# KiCad board omodri_sa_v2_laas.kicad_pcb (continued)
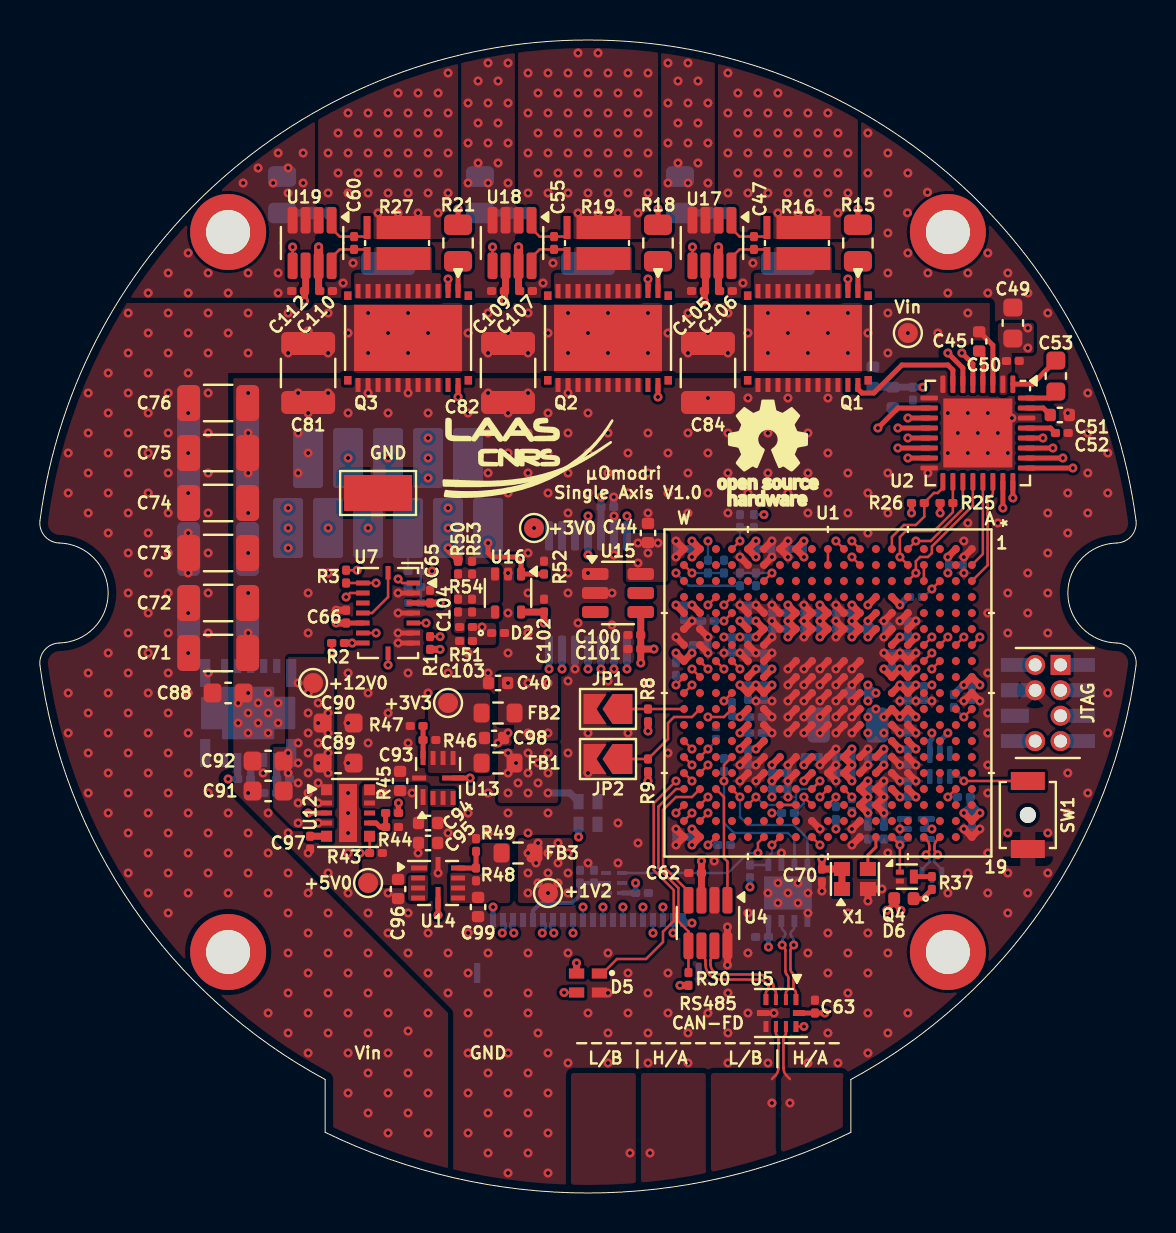
[diagram p0: board, top side]
## Routing (per net, layer and track width the routed paths; a pad name or vN(x,y) marks a point on that pad's centre or on a via; arc(x,y) is an arc through that point) (continued)
  vias: v1(23.41,22) v1(23.41,21) v1(23.41,20) v1(23.81,21.5) v1(23.91,20.5) v1(24.41,22) v1(24.41,21) v1(24.41,20) v1(24.91,21.5) v1(24.91,20.5) v1(25.41,22) v1(25.41,21)
VDDA_3V3: length 24.3
  Top w0.35: U1.R6 v1(35.01,28.6) ; U15.4 C100.1 C101.1 ; v1(35.81,28.6) U1.P6 v1(35.81,27.8) ; C101.1 v1(30.71,27.2) ; C101.1 v1(30.05,26.5)
  In5_PWR.Cu w0.45: v1(19.41,37.75) v1(19.41,35.75) 18.71,35.05 18.71,26.7 20.16,25.25 23.16,25.25 v1(23.41,25.5)
  Bottom w0.35: v1(35.81,28.6) 35.49,28.6 C38.1 35.33,28.6 v1(35.01,28.6) ; v1(35.81,27.8) 35.49,27.8 C37.1 35.33,27.8 v1(35.01,27.8) 34.69,27.8 C39.1 34.53,27.8 v1(34.21,27.8)
  vias: v1(19.41,36.75) v1(24.41,25.5) v1(24.41,23) v1(25.41,25.5) v1(25.41,23)
/COM_SIMO: length 20.2
  In4_sig.Cu w0.125: v1(40.61,19) 40.21,18.6 37.51,18.6 37.04,18.13 36.17,18.13 35.02,16.98 35.02,16.01 33.91,14.9 33.91,12.6 33.01,11.7 29.43,11.7 28.13,13 v1(26.66,13)
  Bottom w0.125: J2.12 v1(26.66,13) ; R5.2 v1(40.61,19)
/COM_SOMI: length 15.1
  In4_sig.Cu w0.125: v1(36.61,19) 36.04,19 34.31,17.27 34.31,16.3 33.21,15.19 33.21,12.9 32.72,12.41 29.72,12.41 28.81,13.31 28.81,13.95 v1(29.16,14.3)
  Bottom w0.125: v1(36.61,19) R7.2 ; J2.7 v1(29.16,14.3)
/ENC2_SPI_SIMO: length 7.2
  Top w0.125: R2.2 v1(14.59,27.04)
  In4_sig.Cu w0.125: v1(14.41,33.25) 13.91,32.75 13.91,27.72 v1(14.59,27.04)
/ENC2_SPI_SOMI: length 6.3
  Top w0.125: R3.2 v1(15.86,31.14)
  In4_sig.Cu w0.125: v1(15.41,36.75) 15.41,31.59 v1(15.86,31.14)
/OMODRI_SA_CAN_RS485/CAN_FD_N: length 5.4
  Top w0.127: U5.4 36.31,10 arc(36.33,10.08) 36.37,10.15 36.37,10.15 arc(36.42,10.22) 36.43,10.29 arc(36.42,10.37) 36.37,10.44 36.29,10.53 arc(36.12,10.63) 35.93,10.67 34.05,10.67 arc(33.76,10.73) 33.51,10.9 33.51,10.9 arc(33.34,11.15) 33.28,11.44 33.28,11.61 arc(33.26,11.74) 33.18,11.85 arc(33.11,11.96) 33.09,12.09 U4.6
/OMODRI_SA_CAN_RS485/CAN_FD_P: length 5.4
  Top w0.127: U4.7 33.74,12.09 arc(33.71,11.96) 33.64,11.85 arc(33.56,11.74) 33.54,11.61 33.54,11.44 arc(33.58,11.24) 33.69,11.08 arc(33.85,10.97) 34.05,10.93 35.93,10.93 arc(36.22,10.87) 36.47,10.71 36.59,10.58 arc(36.66,10.47) 36.69,10.35 36.69,10.3 arc(36.7,10.22) 36.75,10.15 arc(36.79,10.08) 36.81,10 U5.3
/OMODRI_SA_CAN_RS485/CAN_FD_RX: length 7.3
  Top w0.125: U4.4 32.44,15.07 31.17,16.34 31.17,19.16 31.81,19.8 32.61,19.8 U1.V16
/OMODRI_SA_CAN_RS485/CAN_FD_SHDN: length 10.6
  Top w0.125: U1.W16 31.81,20.2 30.93,19.32 30.93,16.25 31.93,15.25 31.93,13.58 32.44,13.07 U4.5 R30.2
/OMODRI_SA_CAN_RS485/CAN_FD_TX: length 5.8
  Top w0.125: U4.1 34.39,16.57 34.21,16.75 34.21,19.8 U1.U16
/OMODRI_SA_CAN_RS485/CAN_RS485_N: length 33.3
  Top w0.127: 36.61,5.7 36.77,5.86 arc(36.89,6.04) 36.93,6.25 36.93,7.7 arc(36.92,7.78) 36.87,7.85 arc(36.83,7.92) 36.81,8 U5.7
  In4_sig.Cu w0.127: v1(23.12,13) 23.2,12.92 arc(23.26,12.83) 23.28,12.72 23.28,9.63 arc(23.59,8.08) 24.47,6.76 24.54,6.69 arc(25.78,5.86) 27.24,5.57 36.29,5.57 arc(36.54,5.52) 36.75,5.39 36.8,5.33 arc(36.9,5.18) 36.93,5.01 arc(36.9,4.84) 36.8,4.69 v1(36.61,4.5) 36.77,4.34 arc(36.89,4.16) 36.93,3.95 36.93,3.73 arc(36.91,3.61) 36.85,3.51 arc(36.75,3.45) 36.63,3.43 30.52,3.43 arc(30.28,3.38) 30.07,3.24 30.03,3.2 arc(29.92,3.04) 29.88,2.84 29.88,2.64 arc(29.84,2.39) 29.7,2.19 v1(29.51,2) ; 23.12,12.97 23.2,12.89
  Bottom w0.127: J2.19 23.22,13.59 arc(23.27,13.52) 23.28,13.44 23.28,13.28 arc(23.26,13.17) 23.2,13.08 v1(23.12,13)
/OMODRI_SA_CAN_RS485/CAN_RS485_P: length 33.2
  Top w0.127: 37.51,5.7 37.35,5.86 arc(37.23,6.04) 37.19,6.25 37.19,7.7 arc(37.2,7.78) 37.25,7.85 arc(37.29,7.92) 37.31,8 U5.8
  In4_sig.Cu w0.127: v1(30.51,2) 30.32,2.19 arc(30.19,2.39) 30.14,2.64 30.14,2.79 arc(30.17,2.94) 30.25,3.06 30.25,3.06 arc(30.38,3.14) 30.52,3.17 36.63,3.17 arc(36.85,3.22) 37.03,3.34 arc(37.15,3.51) 37.19,3.73 37.19,3.95 arc(37.23,4.16) 37.35,4.34 v1(37.51,4.5) 37.35,4.66 arc(37.23,4.84) 37.19,5.05 37.19,5.06 arc(37.14,5.28) 37.02,5.47 36.93,5.56 arc(36.64,5.76) 36.29,5.83 27.32,5.83 arc(25.88,6.11) 24.66,6.93 24.65,6.94 arc(23.83,8.17) 23.54,9.63 23.54,12.72 arc(23.56,12.83) 23.62,12.92 v1(23.7,13)
  Bottom w0.127: v1(23.7,13) 23.62,13.08 arc(23.56,13.17) 23.54,13.28 23.54,13.44 arc(23.55,13.52) 23.6,13.59 J2.18
/OMODRI_SA_CAN_RS485/CAN_RS485_SEL: length 11.1
  Top w0.125: U1.L19 v1(39.01,17.4) ; U5.9 v1(38.21,8.32)
  In4_sig.Cu w0.125: v1(39.01,17.4) 39.91,16.5 39.91,12.4 38.21,10.7 v1(38.21,8.32)
/OMODRI_SA_CAN_RS485/RS485_N: length 4.2
  Top w0.127: v1(37.12,12.4) 37.2,12.32 arc(37.26,12.23) 37.28,12.12 37.28,11.09 arc(37.3,11) 37.36,10.91 arc(37.41,10.83) 37.43,10.73 37.43,10.3 arc(37.42,10.22) 37.37,10.15 arc(37.33,10.08) 37.31,10 U5.2
  Bottom w0.127: v1(37.12,12.4) 37.12,12.6 arc(37.14,12.7) 37.2,12.79 37.23,12.82 arc(37.27,12.88) 37.28,12.95 arc(37.27,13.02) 37.23,13.08 37.18,13.13 arc(37.11,13.24) 37.09,13.37 U6.7
/OMODRI_SA_CAN_RS485/RS485_P: length 4.2
  Top w0.127: U5.1 37.81,10 arc(37.79,10.08) 37.75,10.15 arc(37.7,10.22) 37.69,10.3 37.69,10.84 arc(37.67,10.94) 37.61,11.02 arc(37.56,11.1) 37.54,11.2 37.54,12.12 arc(37.56,12.23) 37.62,12.32 v1(37.7,12.4)
  Bottom w0.127: U6.6 37.74,13.37 arc(37.71,13.24) 37.64,13.13 37.59,13.08 arc(37.55,13.02) 37.54,12.95 arc(37.55,12.88) 37.59,12.82 37.62,12.79 arc(37.68,12.7) 37.7,12.6 v1(37.7,12.4)
/OMODRI_SA_CAN_RS485/RS485_RX: length 2.6
  Top w0.125: U1.N19 v1(36.61,17.4)
  Bottom w0.125: v1(36.61,17.4) 36.61,17 36.44,16.82 U6.1 R31.1
/OMODRI_SA_CAN_RS485/RS485_TX: length 6.7
  Top w0.125: U1.T16 v1(35.01,19.8)
  Bottom w0.125: U6.4 38.39,17.72 37.71,18.4 35.41,18.4 35.01,18.8 v1(35.01,19.8)
/OMODRI_SA_CAN_RS485/RS485_TX_EN: length 9.1
  Top w0.125: U1.T14 34.21,21.4 v1(34.21,20.6)
  Bottom w0.125: U6.3 37.74,17.68 37.41,18 34.71,18 34.21,18.5 v1(34.21,20.6) R32.2
/OMODRI_SA_CLK/25MHz_OSC_SRC: length 1.8
  Top w0.15: U1.G19 41.81,17.3 41.41,16.9 X1.3
/OMODRI_SA_Encoder/ENC1_CHA: length 19.3
  Top w0.125: v1(40.61,32.6) U1.H1
  In4_sig.Cu w0.125: v1(40.61,32.6) 40.21,32.2 31.46,32.2 v1(25.46,26.2)
  Bottom w0.25: U3.7 v1(25.46,26.2)
/OMODRI_SA_Encoder/ENC1_CHB: length 18.5
  Top w0.125: v1(40.61,31.8) U1.H2
  In4_sig.Cu w0.125: v1(40.61,31.8) 40.21,31.4 30.99,31.4 26.11,26.52 v1(26.11,26.2)
  Bottom w0.25: U3.6 v1(26.11,26.2)
/OMODRI_SA_Encoder/ENC1_CHI: length 12.5
  Top w0.125: U1.J1 v1(39.81,32.6)
  In4_sig.Cu w0.125: v1(39.81,32.6) 38.91,33.5 29.71,33.5 v1(29.36,33.85)
  Bottom w0.125: U3.14 v1(29.36,33.85)
/OMODRI_SA_Encoder/ENC1_SPI_CLK: length 25.1
  Top w0.125: U2.20 46.66,34.38 44.61,32.33 44.61,32 44.41,31.8 44.02,31.8 43.81,31.59 v1(43.81,31) U1.E3
  In4_sig.Cu w0.125: v1(28.71,26.2) 28.71,27.19 31.6,30.08 42.9,30.08 v1(43.81,31)
  Bottom w0.25: U3.2 v1(28.71,26.2)
/OMODRI_SA_Encoder/ENC1_SPI_SIMO: length 25.4
  Top w0.125: U1.E1 v1(43.81,32.6) 44.55,32.6 46.16,34.21 U2.19
  In4_sig.Cu w0.125: v1(43.81,32.6) U1.E1 43.41,30.93 42.8,30.32 31.5,30.32 28.06,26.88 v1(28.06,26.2)
  Bottom w0.25: U3.3 v1(28.06,26.2)
/OMODRI_SA_Encoder/ENC1_SPI_SOMI: length 25.9
  Top w0.125: U1.E2 v1(43.01,31.8) 43.01,32.8 43.31,33.1 44.72,33.1 45.66,34.04 R25.1 U2.18
  In4_sig.Cu w0.125: v1(43.01,31.8) 43.01,30.86 42.7,30.56 31.41,30.56 27.41,26.56 v1(27.41,26.2)
  Bottom w0.25: U3.4 v1(27.41,26.2)
/OMODRI_SA_Encoder/~{ENC1_SPI_CSn}: length 19.8
  Top w0.125: U1.C3 v1(44.61,30.2)
  In4_sig.Cu w0.125: v1(44.61,30.2) 43.34,30.2 42.99,29.85 31.7,29.85 29.36,27.51 v1(29.36,26.2)
  Bottom w0.125: R29.1 44.21,29.8 v1(44.61,30.2)
  Bottom w0.25: U3.1 v1(29.36,26.2)
/OMODRI_SA_IMU/IMU_INT: length 22.5
  Top w0.125: U7.1 18.11,30.5 v1(17.91,30.7) ; U1.W10 v1(32.61,25.4)
  In4_sig.Cu w0.125: v1(17.91,30.7) 18.51,30.1 18.51,27 17.91,26.4 17.91,25.83 19.3,24.44 31.65,24.44 v1(32.61,25.4)
/OMODRI_SA_IMU/IMU_SPI_CLK: length 26.8
  Top w0.125: U7.8 v1(17.41,26.4) ; U1.V8 v1(33.41,26.2)
  In4_sig.Cu w0.125: v1(16.41,33.25) 16.41,32.1 17.41,31.1 v1(17.41,26.4) 17.41,26 19.21,24.2 32.12,24.2 33.41,25.5 v1(33.41,26.2)
/OMODRI_SA_IMU/IMU_SPI_SIMO: length 23.7
  Top w0.125: R2.1 v1(15.61,27.5) U7.9 ; U1.T8 v1(35.01,26.2)
  In4_sig.Cu w0.125: v1(15.61,27.5) 15.61,27.14 19.01,23.73 32.31,23.73 33.98,25.4 34.21,25.4 v1(35.01,26.2)
/OMODRI_SA_IMU/IMU_SPI_SOMI: length 26.4
  Top w0.125: U1.U8 v1(34.21,26.2) ; v1(16.81,28) U7.10 ; R3.1 U7.15 v1(16.81,30.5)
  In4_sig.Cu w0.125: v1(16.81,30.5) v1(16.81,28) 16.81,26.27 19.11,23.97 32.22,23.97 33.81,25.56 33.81,25.8 v1(34.21,26.2)
/OMODRI_SA_IMU/~{IMU_SPI_ACCEL_CSn}: length 25.6
  Top w0.125: U1.T10 v1(34.21,24.6) ; U7.14 15.51,30 v1(15.31,29.8)
  In4_sig.Cu w0.125: v1(34.21,24.6) 33.51,24.6 32.41,23.5 18.91,23.5 15.11,27.3 15.11,28 15.31,28.2 v1(15.31,29.8)
  Bottom w0.125: R34.1 34.29,24.52 v1(34.21,24.6)
/OMODRI_SA_IMU/~{IMU_SPI_GYRO_CSn}: length 17.5
  Top w0.125: U1.W9 v1(31.81,25.4) ; U7.5 v1(19.31,28.5)
  In4_sig.Cu w0.125: v1(19.31,28.5) 19.31,26.07 20.7,24.67 31.09,24.67 v1(31.81,25.4)
  Bottom w0.125: R33.1 v1(31.81,25.4)
/OMODRI_SA_JTAG/JTAG_TCK: length 19.7
  Top w0.125: U1.V15 v1(33.41,21.4)
  In4_sig.Cu w0.125: J3.3 50.01,24.1 49.22,24.1 47.72,22.6 34.61,22.6 v1(33.41,21.4)
/OMODRI_SA_JTAG/JTAG_TDI: length 22.4
  Top w0.125: U1.W13 v1(32.61,22.2)
  In4_sig.Cu w0.125: J3.7 50.35,21.9 46.21,21.9 44.51,20.2 32.41,20.2 32.21,20.4 32.21,21.8 v1(32.61,22.2)
/OMODRI_SA_JTAG/JTAG_TDO: length 18.6
  Top w0.125: U1.W15 v1(32.61,20.6)
  In4_sig.Cu w0.125: v1(32.61,20.6) 33.63,20.6 34.02,21 44.46,21 45.59,22.13 49.31,22.13 J3.8
/OMODRI_SA_JTAG/JTAG_TMS: length 20.4
  Top w0.125: U1.W14 v1(32.61,21.4)
  In4_sig.Cu w0.125: v1(32.61,21.4) 33.01,21 33.61,21 34.41,21.8 44.41,21.8 44.98,22.36 47.82,22.36 49.32,23.86 J3.5
/OMODRI_SA_JTAG/JTAG_~{TRSTn}: length 22.8
  Top w0.125: U1.V14 v1(33.41,22.2)
  In4_sig.Cu w0.125: J3.1 50.25,27.2 49.31,27.2 48.91,26.8 48.91,24.12 48.19,23.4 34.61,23.4 v1(33.41,22.2)
  Bottom w0.125: R35.1 33.81,22.6 v1(33.41,22.2)
/OMODRI_SA_LED_dbg/LED_SPI_SIMO: length 18.2
  Top w0.125: U1.T11 34.21,23.8 v1(33.41,23.8) ; D5.1 28.13,10.97 28.86,11.7 30.31,11.7 31.16,12.55 31.16,13.06 31.7,13.6 31.7,15.15 30.7,16.15 30.7,19.49 v1(31.81,20.6)
  In4_sig.Cu w0.125: v1(33.41,23.8) 31.81,22.2 v1(31.81,20.6)
/OMODRI_SA_LED_dbg/Top_to_bottom_led_link: length 9.6
  Top w0.125: D5.3 v1(26.21,10.03)
  In4_sig.Cu w0.125: v1(26.94,17.8) 26.94,14.78 26.16,14 26.16,12.6 25.91,12.35 25.91,10.32 v1(26.21,10.03)
  Bottom w0.35: D4.1 v1(26.94,17.8)
/OMODRI_SA_MCU/COM_SPI_CLK: length 18.4
  Top w0.125: U1.K16 v1(39.01,19.8)
  In4_sig.Cu w0.125: v1(39.01,19.8) 38.28,19.07 37.31,19.07 36.84,18.6 35.97,18.6 34.55,17.17 34.55,16.2 33.44,15.1 33.44,12.79 32.82,12.17 29.62,12.17 28.16,13.63 v1(28.16,14.3)
  Bottom w0.125: J2.9 v1(28.16,14.3)
/OMODRI_SA_MCU/COM_SPI_SIMO: length 0.6
  Top w0.125: U1.J16 v1(40.61,19.8)
  Bottom w0.125: R5.1 v1(40.61,19.8)
/OMODRI_SA_MCU/COM_SPI_SOMI: length 1.6
  Top w0.125: U1.L17 v1(38.21,19.8)
  Bottom w0.125: R7.1 38.21,19.48 v1(38.21,19.8)
/OMODRI_SA_MCU/DRV_EN: length 5.4
  Top w0.125: U2.22 47.66,34.95 47.4,34.69 47.4,31.39 U1.A3
/OMODRI_SA_MCU/GPIO_DBG_0: length 9.1
  Top w0.125: U1.V17 v1(33.41,19.8)
  In4_sig.Cu w0.125: v1(30.16,14.3) 30.69,14.83 30.69,18.84 31.65,19.8 v1(33.41,19.8)
  Bottom w0.125: J2.5 v1(30.16,14.3)
/OMODRI_SA_MCU/GPIO_DBG_1: length 9.2
  Top w0.125: U1.W18 v1(32.61,19)
  In4_sig.Cu w0.125: v1(30.66,13) 30.66,14.36 30.93,14.63 30.93,18.75 31.58,19.4 32.21,19.4 v1(32.61,19)
  Bottom w0.125: J2.4 v1(30.66,13)
/OMODRI_SA_MCU/GPIO_DBG_2: length 6.4
  Top w0.125: U1.W17 v1(31.81,19)
  In4_sig.Cu w0.125: v1(31.16,14.3) 31.16,18.65 31.51,19 v1(31.81,19)
  Bottom w0.125: J2.3 v1(31.16,14.3)
/OMODRI_SA_MCU/GPIO_DBG_3: length 9
  Top w0.125: U1.V18 v1(33.41,19)
  In4_sig.Cu w0.125: v1(33.41,19) 33.01,18.6 33.01,18.6 31.65,18.6 31.4,18.35 31.4,14.72 31.66,14.45 v1(31.66,13)
  Bottom w0.125: J2.2 v1(31.66,13)
/OMODRI_SA_MCU/GPIO_SELECT_0: length 3.1
  Top w0.125: JP1.1 R8.2 U1.W11
/OMODRI_SA_MCU/GPIO_SELECT_1: length 5.4
  Top w0.125: JP2.1 R9.2 31.41,22.7 31.41,23.5 31.71,23.8 32.61,23.8 U1.V11
/OMODRI_SA_MCU/OMODRI_SA_GPIO/BOOT_MODE_0: length 1.3
  Top w0.125: U1.A11 v1(46.21,23.8)
  Bottom w0.125: v1(46.21,23.8) 45.73,24.28 R10.2
/OMODRI_SA_MCU/OMODRI_SA_GPIO/BOOT_MODE_1: length 1
  Top w0.125: U1.B16 v1(45.41,19.8)
  Bottom w0.125: R11.2 v1(45.41,19.8)
/OMODRI_SA_MCU/OMODRI_SA_GPIO/CLB_McBSP_MCLKR: length 0.8
  Top w0.125: U1.N17 U1.M17
/OMODRI_SA_MCU/OMODRI_SA_GPIO/CLB_McBSP_MCLKX: length 0.8
  Top w0.125: U1.K1 U1.K2
/OMODRI_SA_MCU/OMODRI_SA_GPIO/CLB_McBSP_MFSR: length 5.2
  Top w0.125: U1.R17 v1(35.81,19.8) ; U1.L16 v1(39.01,20.6)
  Bottom w0.125: v1(35.81,19.8) 36.21,19.4 37.58,19.4 37.81,19.64 37.81,19.96 38.05,20.2 U1.L16 v1(39.01,20.6)
/OMODRI_SA_MCU/OMODRI_SA_GPIO/CLB_McBSP_MFSX: length 0.8
  Top w0.125: U1.D2 U1.D3
/OMODRI_SA_MCU/OMODRI_SA_MCU_CTRL/ERRORSTS: length 1
  Top w0.125: U1.U19 v1(33.41,17.4)
  Bottom w0.125: v1(33.41,17.4) R12.1
/OMODRI_SA_MCU/PWM1_CHA: length 13.4
  Top w0.125: v1(44.61,26.2) U1.C8
  Top w0.25: U2.23 v1(48.16,34.25)
  In4_sig.Cu w0.125: v1(48.16,34.25) 48.68,33.73 48.68,32.8 44.08,28.2 43.61,28.2 43.41,28 43.41,26.8 43.61,26.6 44.21,26.6 v1(44.61,26.2)
/OMODRI_SA_MCU/PWM1_CHB: length 11.3
  Top w0.125: U1.D8 v1(44.61,27)
  Top w0.25: U2.24 v1(48.66,34.75)
  In4_sig.Cu w0.125: v1(48.66,34.75) 48.91,34.5 48.91,32.7 44.21,28 44.21,27.4 v1(44.61,27)
/OMODRI_SA_MCU/PWM2_CHA: length 13.7
  Top w0.125: U1.A7 v1(47.01,27.8)
  Top w0.25: U2.25 v1(51.66,36.25)
  In4_sig.Cu w0.125: v1(47.01,27.8) 46.45,28.36 46.45,28.91 49.85,32.31 49.85,34.44 v1(51.66,36.25)
/OMODRI_SA_MCU/PWM2_CHB: length 13.4
  Top w0.125: U1.B7 v1(46.21,27.8)
  Top w0.25: U2.26 v1(51.16,36.75)
  In4_sig.Cu w0.125: v1(51.16,36.75) 49.62,35.2 49.62,32.41 46.21,29 v1(46.21,27.8)
/OMODRI_SA_MCU/PWM3_CHA: length 13.5
  Top w0.125: U1.C7 v1(45.41,27.8)
  Top w0.25: U2.27 v1(50.66,37.25)
  In4_sig.Cu w0.125: v1(50.66,37.25) 49.38,35.97 49.38,32.51 45.41,28.54 v1(45.41,27.8)
/OMODRI_SA_MCU/PWM3_CHB: length 13.6
  Top w0.125: U1.D7 v1(44.61,27.8)
  Top w0.25: U2.28 v1(50.16,37.75)
  In4_sig.Cu w0.125: v1(44.61,27.8) 45.18,28.36 45.18,28.63 49.15,32.6 49.15,36.73 v1(50.16,37.75)
/OMODRI_SA_MCU/USB_DETECT: length 8.1
  Top w0.125: v1(35.91,17) 35.91,17.5 U1.P19
  Bottom w0.125: v1(35.91,17) 35.41,17 34.41,16 U8.4
/OMODRI_SA_MCU/USB_N: length 34.1
  Top w0.127: v1(44.32,16.91) 44.4,16.99 arc(44.46,17.08) 44.48,17.19 44.48,17.33 arc(44.45,17.51) 44.35,17.66 U1.D19
  In4_sig.Cu w0.127: v1(44.32,16.91) 44.4,16.83 arc(44.46,16.74) 44.48,16.63 44.48,15.5 arc(44.34,14.76) 43.92,14.14 43.73,13.95 arc(43.18,13.12) 42.98,12.14 42.98,11.27 arc(42.69,9.8) 41.86,8.55 arc(40.61,7.72) 39.14,7.43 37.19,7.43 arc(37.02,7.5) 36.95,7.67 36.95,7.79 arc(36.88,7.96) 36.71,8.03 36.59,8.03 arc(36.42,7.96) 36.35,7.79 36.35,7.67 arc(36.28,7.5) 36.11,7.43 27.45,7.43 arc(26.82,7.55) 26.28,7.91 26.15,8.04 arc(25.7,8.72) 25.54,9.52 25.54,12.72 arc(25.56,12.83) 25.62,12.92 v1(25.7,13)
  Bottom w0.127: v1(44.32,16.91) 44.48,16.75 44.48,16.55 44.11,16.18 D3.2 ; v1(25.7,13) 25.62,13.08 arc(25.56,13.17) 25.54,13.28 25.54,13.44 arc(25.55,13.52) 25.6,13.59 J2.14
/OMODRI_SA_MCU/USB_P: length 34.1
  Top w0.127: U1.C19 44.87,17.66 arc(44.77,17.51) 44.74,17.33 44.74,17.19 arc(44.76,17.08) 44.82,16.99 v1(44.9,16.91)
  In4_sig.Cu w0.127: v1(25.12,13) 25.2,12.92 arc(25.26,12.83) 25.28,12.72 25.28,9.52 arc(25.46,8.62) 25.97,7.86 26.13,7.7 arc(26.71,7.31) 27.4,7.17 39.14,7.17 arc(40.71,7.48) 42.04,8.37 arc(42.93,9.7) 43.24,11.27 43.24,12.04 arc(43.43,13.02) 43.99,13.85 44.14,14 arc(44.58,14.66) 44.74,15.45 44.74,16.63 arc(44.76,16.74) 44.82,16.83 v1(44.9,16.91)
  Bottom w0.127: v1(44.9,16.91) 44.74,16.75 44.74,16.55 45.11,16.18 D3.3 ; v1(25.12,13) 25.2,13.08 arc(25.26,13.17) 25.28,13.28 25.28,13.44 arc(25.27,13.52) 25.22,13.59 J2.15
/OMODRI_SA_MCU/Vanalog1: length 18
  Top w0.125: U1.T4 v1(34.21,29.4)
  In2_sig.Cu w0.125: v1(34.21,29.4) 33.41,30.2 31.01,30.2 30.71,30.5 20.21,30.5 v1(19.61,31.1)
  Bottom w0.125: D1.1 C1.1 R4.1 v1(19.61,31.1)
/OMODRI_SA_MCU/Vanalog_Ia: length 1.9
  Top w0.125: U1.T1 v1(35.01,32.6)
  Bottom w0.125: v1(35.01,32.6) C59.1 R24.1
/OMODRI_SA_MCU/Vanalog_Ib: length 2.2
  Top w0.125: U1.W2 v1(32.61,31)
  Bottom w0.125: C58.1 R23.2 v1(32.61,31)
/OMODRI_SA_MCU/Vanalog_Ic: length 2.2
  Top w0.125: U1.P3 v1(36.61,31)
  Bottom w0.125: R22.2 C57.1 v1(36.61,31)
/OMODRI_SA_MCU/Vthermistor: length 12.3
  Top w0.125: U1.U4 v1(33.41,29.4)
  In2_sig.Cu w0.125: v1(33.41,29.4) 33.01,29 24.41,29 23.71,28.3 v1(22.11,28.3)
/OMODRI_SA_MCU/~{COM_SPI_CSn}: length 20.5
  Top w0.125: U1.K17 v1(39.81,19.8)
  In4_sig.Cu w0.125: v1(27.16,14.3) 29.53,11.94 32.91,11.94 33.68,12.7 33.68,15 34.78,16.11 34.78,17.08 36.07,18.37 36.94,18.37 37.41,18.84 38.85,18.84 v1(39.81,19.8)
  Bottom w0.125: J2.11 v1(27.16,14.3) ; v1(39.81,19.8) R6.2
/OMODRI_SA_MCU/~{DRV_FAULTn}: length 4.9
  Top w0.125: U1.F1 42.61,32.8 43.21,33.4 43.81,33.4 44.23,33.82 R26.1 44.23,34.52 44.71,35 44.9,35 45.16,35.26 U2.17
/OMODRI_SA_MCU/~{DRV_SPI_CSn}: length 4.4
  Top w0.125: U1.A2 47.16,31.95 U2.21
/OMODRI_SA_MCU/~{ENC2_SPI_CSn}: length 27
  Top w0.125: R1.1 v1(20.01,27.82) ; U1.V9 v1(32.61,26.2)
  In4_sig.Cu w0.125: v1(32.61,26.2) 32.05,26.2 30.76,24.91 21.41,24.91 20.91,25.41 20.91,26.92 v1(20.01,27.82) 20.91,28.72 20.91,30.7 17.41,34.2 v1(17.41,36.75)
/OMODRI_SA_MCU/~{XRSn}: length 13.7
  Top w0.125: Q4.1 v1(43.01,17.4) U1.F19 ; v1(46.21,20.6) SW1.2
  In4_sig.Cu w0.125: v1(43.01,17.4) 44.61,19 45.41,19 46.21,19.8 v1(46.21,20.6)
  Bottom w0.125: v1(46.21,20.6) 45.99,20.82 45.51,20.82 ; 42.96,17.4 43.01,17.35 43.01,17.47
  Bottom w0.25: R36.2 C69.1 42.81,17.7 ; 42.81,17.7 43.01,17.5 v1(43.01,17.4) 43.01,17.47 43.24,17.7 42.81,17.7
/OMODRI_SA_MOTOR_DRIVER/CPH: length 2.6
  Top w0.25: C53.1 49.63,40.44 48.67,40.44 U2.1
/OMODRI_SA_MOTOR_DRIVER/CPL: length 1.6
  Top w0.25: 50.81,40.08 50.49,39.75 U2.32
/OMODRI_SA_MOTOR_DRIVER/GHA: length 1.5
  Top w0.25: Q1.1 R15.2
/OMODRI_SA_MOTOR_DRIVER/GHA_drv: length 13.5
  Top w0.25: v1(46.11,42) 46.66,41.45 U2.5 ; R15.1 v1(40.91,49.2)
  In4_sig.Cu w0.25: v1(46.11,42) 46.11,43.21 44.02,45.3 41.32,45.3 40.91,45.71 v1(40.91,49.2)
/OMODRI_SA_MOTOR_DRIVER/GHB: length 1.5
  Top w0.25: Q2.1 R18.2
/OMODRI_SA_MOTOR_DRIVER/GHB_drv: length 25.9
  Top w0.25: U2.12 v1(42.91,38.25) ; R18.1 v1(30.91,49.2)
  In4_sig.Cu w0.25: v1(30.91,49.2) 30.91,47.7 29.21,46 29.21,41.31 29.88,40.64 40.52,40.64 v1(42.91,38.25)
/OMODRI_SA_MOTOR_DRIVER/GHC: length 1.5
  Top w0.25: Q3.1 R21.2
/OMODRI_SA_MOTOR_DRIVER/GHC_drv: length 33.9
  Top w0.25: U2.13 v1(43.41,37.75) ; R21.1 v1(20.91,49.2)
  In4_sig.Cu w0.25: v1(43.41,37.75) 41.28,37.75 39.78,39.25 30.76,39.25 28.79,41.22 21.8,41.22 20.47,42.55 20.47,44.63 21.31,45.47 21.31,48.8 v1(20.91,49.2)
/OMODRI_SA_MOTOR_DRIVER/GLA: length 6.4
  Top w0.25: U2.7 45.66,41.15 45.41,41.4 43.11,41.4 41.71,40 41.11,40 40.91,40.2 Q1.22
/OMODRI_SA_MOTOR_DRIVER/GLB: length 15.9
  Top w0.25: U2.10 42.91,39.25 v1(41.91,38.25) ; v1(30.91,39.8) Q2.22
  In4_sig.Cu w0.25: v1(41.91,38.25) 41.91,38.74 40.37,40.28 31.39,40.28 v1(30.91,39.8)
/OMODRI_SA_MOTOR_DRIVER/GLC: length 26
  Top w0.25: U2.15 v1(43.41,36.75) ; Q3.22 v1(20.91,39.8)
  In4_sig.Cu w0.25: v1(20.91,39.8) 21.61,40.5 28.49,40.5 30.46,38.53 39.48,38.53 41.26,36.75 v1(43.41,36.75)
/OMODRI_SA_MOTOR_DRIVER/MOTOR_CH1_OUT:
  vias: v1(34.41,56) v1(34.41,54) v1(34.41,52) v1(34.41,50) v1(34.91,55) v1(34.91,53) v1(34.91,51) v1(35.41,54) v1(35.41,52) v1(35.41,50) v1(35.91,55) v1(35.91,53) v1(35.91,51) v1(36.41,54) v1(36.41,52) v1(36.41,50) v1(36.91,55) v1(36.91,53) v1(36.91,51) v1(36.91,49) v1(37.41,54) v1(37.41,52) v1(37.41,50) v1(37.91,53) v1(37.91,51) v1(37.91,49) v1(38.41,54) v1(38.41,52) v1(38.41,50) v1(38.91,53) v1(38.91,51) v1(38.91,49) v1(39.41,54) v1(39.41,52) v1(39.41,50) v1(39.91,53) v1(39.91,51) v1(39.91,49) v1(40.41,52) v1(40.41,50)
/OMODRI_SA_MOTOR_DRIVER/MOTOR_CH2_OUT:
  vias: v1(24.41,56) v1(24.41,54) v1(24.41,52) v1(24.41,50) v1(24.91,55) v1(24.91,53) v1(24.91,51) v1(25.41,56) v1(25.41,54) v1(25.41,52) v1(25.41,50) v1(25.91,55) v1(25.91,53) v1(25.91,51) v1(26.41,56) v1(26.41,54) v1(26.41,52) v1(26.41,50) v1(26.91,57) v1(26.91,55) v1(26.91,53) v1(26.91,51) v1(26.91,49) v1(27.41,56) v1(27.41,54) v1(27.41,52) v1(27.41,50) v1(27.91,57) v1(27.91,55) v1(27.91,53) v1(27.91,51) v1(27.91,49) v1(28.41,56) v1(28.41,54) v1(28.41,52) v1(28.41,50) v1(28.91,55) v1(28.91,53) v1(28.91,51) v1(28.91,49) v1(29.41,56) v1(29.41,54) v1(29.41,52) v1(29.41,50) v1(29.91,55) v1(29.91,53) v1(29.91,51) v1(29.91,49) v1(30.41,56) v1(30.41,54) v1(30.41,52) v1(30.41,50)
/OMODRI_SA_MOTOR_DRIVER/MOTOR_CH3_OUT:
  vias: v1(14.41,52) v1(14.41,50) v1(14.91,53) v1(14.91,51) v1(15.41,54) v1(15.41,52) v1(15.41,50) v1(15.91,53) v1(15.91,51) v1(16.41,54) v1(16.41,52) v1(16.41,50) v1(16.91,53) v1(16.91,51) v1(16.91,49) v1(17.41,54) v1(17.41,52) v1(17.41,50) v1(17.91,55) v1(17.91,53) v1(17.91,51) v1(17.91,49) v1(18.41,54) v1(18.41,52) v1(18.41,50) v1(18.91,55) v1(18.91,53) v1(18.91,51) v1(18.91,49) v1(19.41,54) v1(19.41,52) v1(19.41,50) v1(19.91,55) v1(19.91,53) v1(19.91,51) v1(19.91,49) v1(20.41,56) v1(20.41,54) v1(20.41,52) v1(20.41,50)
/OMODRI_SA_MOTOR_DRIVER/SHA: length 10.1
  Top w0.25: U2.6 46.16,41.25 v1(45.41,42) ; Q1.2 v1(40.41,45.7)
  In4_sig.Cu w0.25: v1(40.41,45.7) 41.17,44.94 43.87,44.94 45.75,43.06 45.75,42.34 v1(45.41,42)
/OMODRI_SA_MOTOR_DRIVER/SHB: length 21.2
  Top w0.25: U2.11 v1(43.41,38.75) ; Q2.2 v1(30.41,45.7)
  In4_sig.Cu w0.25: v1(43.41,38.75) 42.92,38.75 40.67,41 30.03,41 29.57,41.46 29.57,44.86 v1(30.41,45.7)
/OMODRI_SA_MOTOR_DRIVER/SHC: length 30.5
  Top w0.25: Q3.2 v1(20.41,45.7) ; U2.14 v1(42.91,37.25)
  In4_sig.Cu w0.25: v1(42.91,37.25) 41.27,37.25 39.63,38.89 30.61,38.89 28.64,40.86 21.65,40.86 20.11,42.4 20.11,45.4 v1(20.41,45.7)
/OMODRI_SA_MOTOR_DRIVER/SNA: length 2.8
  Top w0.125: 34.59,48.64 34.59,48.22 34.99,47.82 C47.1 36.36,47.82 R16.3
/OMODRI_SA_MOTOR_DRIVER/SNB: length 2.8
  Top w0.125: 24.59,48.64 24.59,48.22 24.99,47.82 C55.1 26.36,47.82 R19.3
/OMODRI_SA_MOTOR_DRIVER/SNC: length 2.8
  Top w0.125: 14.59,48.64 14.59,48.22 14.99,47.82 C60.1 16.36,47.82 R27.3
/OMODRI_SA_MOTOR_DRIVER/SOA_out: length 16.3
  Top w0.125: U17.5 v1(32.64,47.3)
  In2_sig.Cu w0.125: v1(36.21,33.92) 36.21,35.2 35.91,35.5 35.91,44.03 v1(32.64,47.3)
  Bottom w0.125: R24.2 v1(36.21,33.92)
/OMODRI_SA_MOTOR_DRIVER/SOB_out: length 27.2
  Top w0.125: U18.5 v1(22.64,47.3)
  In2_sig.Cu w0.125: v1(22.64,47.3) 23.34,48 30.71,48 33.91,44.8 33.91,33.1 v1(33.41,32.6)
  Bottom w0.125: R23.1 v1(33.41,32.6)
/OMODRI_SA_MOTOR_DRIVER/SOC_out: length 38.7
  Top w0.125: U19.5 v1(12.64,47.3)
  In2_sig.Cu w0.125: v1(31.81,31) 31.41,31.4 31.41,33 31.91,33.5 31.91,43.5 29.41,46 21.71,46 19.71,48 13.34,48 v1(12.64,47.3)
  Bottom w0.125: R22.1 32.45,30.36 v1(31.81,31)
/OMODRI_SA_MOTOR_DRIVER/SPA: length 2.8
  Top w0.125: 34.59,46.36 34.59,46.78 34.99,47.18 C47.2 36.33,47.18 36.36,47.15 R16.2
/OMODRI_SA_MOTOR_DRIVER/SPB: length 2.8
  Top w0.125: R19.2 26.36,47.18 C55.2 24.99,47.18 24.59,46.78 24.59,46.36
/OMODRI_SA_MOTOR_DRIVER/SPC: length 2.8
  Top w0.125: R27.2 16.36,47.18 C60.2 14.99,47.18 14.59,46.78 14.59,46.36
/OMODRI_SA_MOTOR_DRIVER/VCP_DRV: length 1.7
  Top w0.25: U2.4 47.16,41.92 C45.2
/OMODRI_SA_MOTOR_DRIVER/VGLS: length 1.3
  Top w0.25: C51.2 50.18,39.25 U2.31
/OMODRI_SA_POWER/OMODRI_SA_Alim_1V2/EN_1V2: length 14.1
  Top w0.125: U12.6 R43.2 v1(16.01,17)
  Top w0.25: U14.5 v1(19.91,13.9) ; U13.5 v1(21.51,20.75)
  In4_sig.Cu w0.125: 17.76,17 v1(21.51,20.75) ; 17.76,17 v1(16.01,17) ; 17.76,17 19.91,14.85 v1(19.91,13.9)
/OMODRI_SA_POWER/OMODRI_SA_Alim_1V2/FB_1V2: length 1.7
  Top w0.25: U14.9 R48.2 R49.1
/OMODRI_SA_POWER/OMODRI_SA_Alim_3V3/FB_3V3: length 1.6
  Top w0.25: U13.9 R46.2 R47.1
/OMODRI_SA_POWER/OMODRI_SA_Alim_5V/FB_5V0: length 1.6
  Top w0.25: U12.7 16.81,18.5 17.01,18.3 R44.2 R45.2
/OMODRI_SA_POWER/OMODRI_SA_Alim_12V/FB_12V0: length 1.7
  Bottom w0.35: R42.2 R40.2 U11.9
/OMODRI_SA_POWER/OMODRI_SA_Alim_12V/PG_12V0: length 7.1
  Top w0.25: U12.3 v1(13.41,19)
  In4_sig.Cu w0.125: v1(13.41,19) 12.21,19 10.51,20.7 v1(9.41,20.7)
  Bottom w0.25: R41.1 v1(9.41,20.7)
  Bottom w0.35: U11.12 R41.1
/OMODRI_SA_THERMISTOR/V_THERM_IN: length 4.1
  Top w0.25: v1(22.41,32.5) 22.41,32 22.61,31.8 23.81,31.8 24.06,31.55 U16.1 R52.2
/V_ANALOG_IN: length 2.2
  Bottom w0.125: J1.7 R4.2
REF_3V0_BUF: length 60.3
  Top w0.35: C110.1 13.94,45.16 U19.7 ; v1(35.81,31.8) U1.R1 v1(35.81,32.6) ; U1.W5 v1(31.81,29.4) ; U1.V5 v1(32.61,29.4) ; U18.7 23.94,45.16 C107.1 ; C106.1 33.94,45.16 U17.7 ; v1(32.61,32.6) U1.V1 v1(32.61,31.8)
  Top w0.45: v1(20.41,32.25) 20.91,31.75 R50.2 ; U18.7 v1(23.94,47.3) ; v1(13.94,47.3) U19.7 ; U17.7 v1(33.94,47.3)
  In5_PWR.Cu w0.45: v1(20.41,33.25) v1(20.41,34.25) 20.41,38.7 20.19,38.92 20.19,43.55 22.62,45.99 ; v1(20.41,33.25) v1(24.71,33.25) 29.16,33.25 v1(29.91,32.5) ; v1(20.41,33.25) v1(20.41,32.25) ; 22.62,45.99 21.11,47.5 14.14,47.5 v1(13.94,47.3) ; 22.62,45.99 v1(23.94,47.3) 24.14,47.5 31.11,47.5 32.11,46.5 33.14,46.5 v1(33.94,47.3)
  Bottom w0.25: v1(32.61,32.6) 32.61,32.28 C42.1 32.61,32.12 v1(32.61,31.8)
  Bottom w0.35: v1(35.81,31.8) 35.81,32.12 C41.1 35.81,32.28 v1(35.81,32.6) ; v1(31.81,29.4) 32.13,29.4 C43.1 32.29,29.4 v1(32.61,29.4)
  vias: v1(29.91,31.5) v1(30.41,32) v1(30.91,32.5)
